# KiCad board Bus_Card.kicad_pcb (continued)
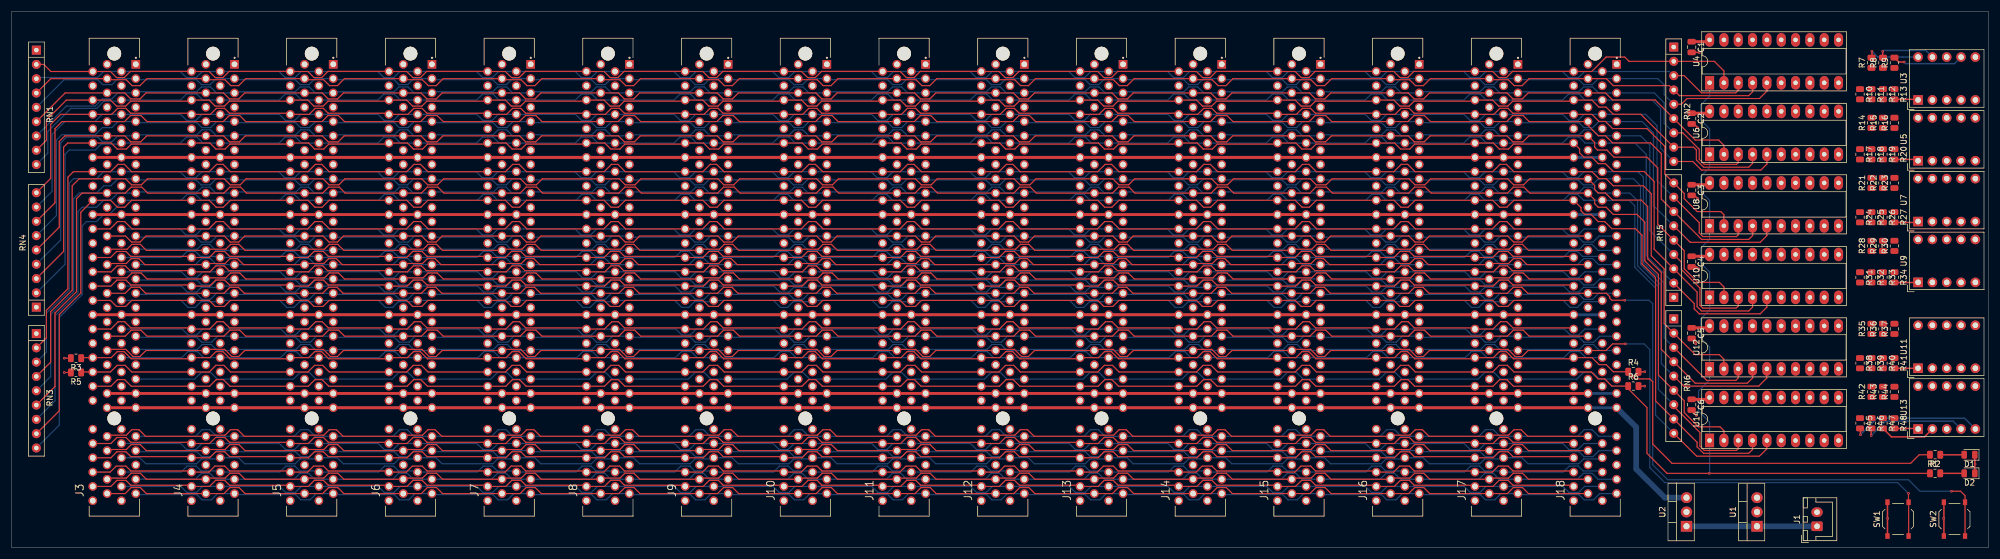
[diagram p0: board, top side]
## Routing (per net, layer and track width the routed paths; a pad name or vN(x,y) marks a point on that pad's centre or on a via; arc(x,y) is an arc through that point) (continued)
/~{L_RAM}: length 278.7
  Top w0.2: J18.B24 266.4,56.61 265.1,57.91 263.83,57.91 262.52,56.61 J17.B24 248.9,56.61 247.6,57.91 246.33,57.91 245.02,56.61 J16.B24 231.4,56.61 230.1,57.91 228.83,57.91 227.52,56.61 J15.B24 213.9,56.61 212.6,57.91 211.33,57.91 210.02,56.61 J14.B24 196.4,56.61 195.1,57.91 193.83,57.91 192.52,56.61 J13.B24 178.9,56.61 177.6,57.91 176.33,57.91 175.02,56.61 J12.B24 161.4,56.61 160.1,57.91 158.83,57.91 157.52,56.61 J11.B24 143.9,56.61 142.6,57.91 141.33,57.91 140.02,56.61 J10.B24 126.4,56.61 125.1,57.91 123.83,57.91 122.52,56.61 J9.B24 108.9,56.61 107.6,57.91 106.33,57.91 105.02,56.61 J8.B24 91.4,56.61 90.1,57.91 88.83,57.91 87.52,56.61 J7.B24 73.9,56.61 72.6,57.91 71.33,57.91 70.02,56.61 J6.B24 56.4,56.61 55.1,57.91 53.83,57.91 52.52,56.61 J5.B24 38.9,56.61 37.6,57.91 36.33,57.91 35.02,56.61 J4.B24 21.4,56.61 20.1,57.91 18.83,57.91 17.52,56.61 J3.B24
/~{ML}: length 275.9
  Top w0.2: J3.B39 20.19,37.56 21.27,38.63 22.99,38.63 24.06,37.56 J4.B39 37.69,37.56 38.77,38.63 40.49,38.63 41.56,37.56 J5.B39 55.19,37.56 56.27,38.63 57.99,38.63 59.06,37.56 J6.B39 72.69,37.56 73.77,38.63 75.49,38.63 76.56,37.56 J7.B39 90.19,37.56 91.27,38.63 92.99,38.63 94.06,37.56 J8.B39 107.69,37.56 108.77,38.63 110.49,38.63 111.56,37.56 J9.B39 125.19,37.56 126.27,38.63 127.99,38.63 129.06,37.56 J10.B39 142.69,37.56 143.77,38.63 145.49,38.63 146.56,37.56 J11.B39 160.19,37.56 161.27,38.63 162.99,38.63 164.06,37.56 J12.B39 177.69,37.56 178.77,38.63 180.49,38.63 181.56,37.56 J13.B39 195.19,37.56 196.27,38.63 197.99,38.63 199.06,37.56 J14.B39 212.69,37.56 213.77,38.63 215.49,38.63 216.56,37.56 J15.B39 230.19,37.56 231.27,38.63 232.99,38.63 234.06,37.56 J16.B39 247.69,37.56 248.77,38.63 250.49,38.63 251.56,37.56 J17.B39 265.19,37.56 266.27,38.63 267.99,38.63 269.06,37.56 J18.B39
/~{NMI}: length 381.5
  Top w0.2: J3.B33 20.19,45.18 21.26,46.24 22.75,46.24 23.81,45.18 J4.B33 37.69,45.18 38.76,46.24 40.25,46.24 41.31,45.18 J5.B33 55.19,45.18 56.26,46.24 57.75,46.24 58.81,45.18 J6.B33 72.69,45.18 73.76,46.24 75.25,46.24 76.31,45.18 J7.B33 90.19,45.18 91.26,46.24 92.75,46.24 93.81,45.18 J8.B33 107.69,45.18 108.76,46.24 110.25,46.24 111.31,45.18 J9.B33 125.19,45.18 126.26,46.24 127.75,46.24 128.81,45.18 J10.B33 142.69,45.18 143.76,46.24 145.25,46.24 146.31,45.18 J11.B33 160.19,45.18 161.26,46.24 162.75,46.24 163.81,45.18 J12.B33 177.69,45.18 178.76,46.24 180.25,46.24 181.31,45.18 J13.B33 195.19,45.18 196.26,46.24 197.75,46.24 198.81,45.18 J14.B33 212.69,45.18 213.76,46.24 215.25,46.24 216.31,45.18 J15.B33 230.19,45.18 231.26,46.24 232.75,46.24 233.81,45.18 J16.B33 247.69,45.18 248.76,46.24 250.25,46.24 251.31,45.18 J17.B33 265.19,45.18 266.26,46.24 267.75,46.24 268.81,45.18 J18.B33 282.73,45.18 283.34,44.58 283.34,44.32 283.72,43.94 v1(286,43.94) ; v1(343.92,10.03) 345.53,10.03 346.32,9.24 SW2.2 SW2.2
  Bottom w0.2: v1(286,43.94) 290.32,43.94 290.96,43.31 290.96,14.73 293.62,12.06 336.3,12.06 338.33,10.03 v1(343.92,10.03)
/~{RDY}: length 275.7
  Bottom w0.2: J18.A41 281.51,35.02 280.45,36.08 278.83,36.08 277.97,35.22 267.27,35.22 J17.A41 264.01,35.02 262.95,36.08 261.33,36.08 260.47,35.22 249.77,35.22 J16.A41 246.51,35.02 245.45,36.08 243.83,36.08 242.97,35.22 232.27,35.22 J15.A41 229.01,35.02 227.95,36.08 226.33,36.08 225.47,35.22 214.77,35.22 J14.A41 211.51,35.02 210.45,36.08 208.83,36.08 207.97,35.22 197.27,35.22 J13.A41 194.01,35.02 192.95,36.08 191.33,36.08 190.47,35.22 179.77,35.22 J12.A41 176.51,35.02 175.45,36.08 173.83,36.08 172.97,35.22 162.27,35.22 J11.A41 159.01,35.02 157.95,36.08 156.33,36.08 155.47,35.22 144.77,35.22 J10.A41 141.51,35.02 140.45,36.08 138.83,36.08 137.97,35.22 127.27,35.22 J9.A41 124.01,35.02 122.95,36.08 121.33,36.08 120.47,35.22 109.77,35.22 J8.A41 106.51,35.02 105.45,36.08 103.83,36.08 102.97,35.22 92.27,35.22 J7.A41 89.01,35.02 87.95,36.08 86.33,36.08 85.47,35.22 74.77,35.22 J6.A41 71.51,35.02 70.45,36.08 68.83,36.08 67.97,35.22 57.27,35.22 J5.A41 54.01,35.02 52.95,36.08 51.33,36.08 50.47,35.22 39.77,35.22 J4.A41 36.51,35.02 35.45,36.08 33.83,36.08 32.97,35.22 22.27,35.22 J3.A41
/~{RES}: length 366.4
  Top w0.2: J3.B41 17.19,35.22 20.3,35.22 21.57,33.95 22.81,33.95 23.87,35.02 J4.B41 34.69,35.22 37.8,35.22 39.07,33.95 40.31,33.95 41.37,35.02 J5.B41 52.19,35.22 55.3,35.22 56.57,33.95 57.81,33.95 58.87,35.02 J6.B41 69.69,35.22 72.8,35.22 74.07,33.95 75.31,33.95 76.37,35.02 J7.B41 87.19,35.22 90.3,35.22 91.57,33.95 92.81,33.95 93.87,35.02 J8.B41 104.69,35.22 107.8,35.22 109.07,33.95 110.31,33.95 111.37,35.02 J9.B41 122.19,35.22 125.3,35.22 126.57,33.95 127.81,33.95 128.87,35.02 J10.B41 139.69,35.22 142.8,35.22 144.07,33.95 145.31,33.95 146.37,35.02 J11.B41 157.19,35.22 160.3,35.22 161.57,33.95 162.81,33.95 163.87,35.02 J12.B41 174.69,35.22 177.8,35.22 179.07,33.95 180.31,33.95 181.37,35.02 J13.B41 192.19,35.22 195.3,35.22 196.57,33.95 197.81,33.95 198.87,35.02 J14.B41 209.69,35.22 212.8,35.22 214.07,33.95 215.31,33.95 216.37,35.02 J15.B41 227.19,35.22 230.3,35.22 231.57,33.95 232.81,33.95 233.87,35.02 J16.B41 244.69,35.22 247.8,35.22 249.07,33.95 250.31,33.95 251.37,35.02 J17.B41 262.19,35.22 265.3,35.22 266.57,33.95 267.81,33.95 268.87,35.02 J18.B41 282.67,35.02 283.85,36.19 v1(286.13,36.19) ; v1(336.3,9.65) 336.3,8.11 SW1.2 SW1.2
  Bottom w0.2: v1(286.13,36.19) 289.43,36.19 290.45,35.18 290.45,14.22 293.12,11.56 334.39,11.56 v1(336.3,9.65)
/~{ROM}: length 275.7
  Bottom w0.2: J18.A25 281.45,55.34 280.38,54.27 278.64,54.27 277.78,55.13 267.27,55.13 J17.A25 263.95,55.34 262.88,54.27 261.14,54.27 260.28,55.13 249.77,55.13 J16.A25 246.45,55.34 245.38,54.27 243.64,54.27 242.78,55.13 232.27,55.13 J15.A25 228.95,55.34 227.88,54.27 226.14,54.27 225.28,55.13 214.77,55.13 J14.A25 211.45,55.34 210.38,54.27 208.64,54.27 207.78,55.13 197.27,55.13 J13.A25 193.95,55.34 192.88,54.27 191.14,54.27 190.28,55.13 179.77,55.13 J12.A25 176.45,55.34 175.38,54.27 173.64,54.27 172.78,55.13 162.27,55.13 J11.A25 158.95,55.34 157.88,54.27 156.14,54.27 155.28,55.13 144.77,55.13 J10.A25 141.45,55.34 140.38,54.27 138.64,54.27 137.78,55.13 127.27,55.13 J9.A25 123.95,55.34 122.88,54.27 121.14,54.27 120.28,55.13 109.77,55.13 J8.A25 106.45,55.34 105.38,54.27 103.64,54.27 102.78,55.13 92.27,55.13 J7.A25 88.95,55.34 87.88,54.27 86.14,54.27 85.28,55.13 74.77,55.13 J6.A25 71.45,55.34 70.38,54.27 68.64,54.27 67.78,55.13 57.27,55.13 J5.A25 53.95,55.34 52.88,54.27 51.14,54.27 50.28,55.13 39.77,55.13 J4.A25 36.45,55.34 35.38,54.27 33.64,54.27 32.78,55.13 22.27,55.13 J3.A25
/~{VP}: length 278.7
  Top w0.2: J3.B38 17.65,38.83 18.95,40.13 20.1,40.13 21.19,39.03 31.74,39.03 J4.B38 35.15,38.83 36.45,40.13 37.6,40.13 38.69,39.03 49.24,39.03 J5.B38 52.65,38.83 53.95,40.13 55.1,40.13 56.19,39.03 66.74,39.03 J6.B38 70.15,38.83 71.45,40.13 72.6,40.13 73.69,39.03 84.24,39.03 J7.B38 87.65,38.83 88.95,40.13 90.1,40.13 91.19,39.03 101.74,39.03 J8.B38 105.15,38.83 106.45,40.13 107.6,40.13 108.69,39.03 119.24,39.03 J9.B38 122.65,38.83 123.95,40.13 125.1,40.13 126.19,39.03 136.74,39.03 J10.B38 140.15,38.83 141.45,40.13 142.6,40.13 143.69,39.03 154.24,39.03 J11.B38 157.65,38.83 158.95,40.13 160.1,40.13 161.19,39.03 171.74,39.03 J12.B38 175.15,38.83 176.45,40.13 177.6,40.13 178.69,39.03 189.24,39.03 J13.B38 192.65,38.83 193.95,40.13 195.1,40.13 196.19,39.03 206.74,39.03 J14.B38 210.15,38.83 211.45,40.13 212.6,40.13 213.69,39.03 224.24,39.03 J15.B38 227.65,38.83 228.95,40.13 230.1,40.13 231.19,39.03 241.74,39.03 J16.B38 245.15,38.83 246.45,40.13 247.6,40.13 248.69,39.03 259.24,39.03 J17.B38 262.65,38.83 263.95,40.13 265.1,40.13 266.19,39.03 276.74,39.03 J18.B38
VDC: length 23.1
  Bottom w1: U2.1 J1.1
Net-(D1-A): length 4.2
  Top w0.25: R1.2 D1.2
Net-(D2-A): length 4.2
  Top w0.25: R2.2 D2.2
Net-(U3-A): length 9.7
  Top w0.25: v1(329.82,88.14) 329.82,87.1 R7.2
  Bottom w0.25: U3.10 335.28,87.12 335.28,87.12 330.83,87.12 v1(329.82,88.14)
Net-(U3-B): length 10.5
  Top w0.25: v1(331.72,88.14) 331.72,87.07 R8.2
  Bottom w0.25: U3.9 339.36,88.3 331.88,88.3 v1(331.72,88.14)
Net-(U3-C): length 12.7
  Top w0.25: R9.2 334.59,86.23 v1(335.53,86.23)
  Bottom w0.25: v1(335.53,86.23) 335.82,85.95 344.44,85.95 U3.7
Net-(U3-G): length 4.2
  Top w0.25: R13.2 337.89,79.61 U3.1
Net-(U5-G): length 4.3
  Top w0.25: R20.2 337.76,68.94 U5.1
Net-(U7-G): length 4.3
  Top w0.25: R27.2 337.84,57.76 U7.1
Net-(U9-G): length 4.2
  Top w0.25: R34.2 337.97,47.09 U9.1
Net-(U11-G): length 4.2
  Top w0.25: R41.2 337.97,31.85 U11.1
Net-(U13-D): length 23.5
  Top w0.25: R45.2 327.79,21.11 v1(327.79,20.07)
  Bottom w0.25: U13.5 346.25,22.99 330.71,22.99 v1(327.79,20.07)
Net-(U13-E): length 18.8
  Top w0.25: v1(329.69,19.94) 329.69,21.14 R46.2
  Bottom w0.25: U13.4 344.22,22.48 332.23,22.48 v1(329.69,19.94)
Net-(U13-F): length 10
  Top w0.25: R47.2 333.27,19.68 339.14,19.68 U13.2
Net-(U13-G): length 4.2
  Top w0.25: U13.1 337.89,21.19 R48.2

## Copper pours and planes (outline as drawn; the poured copper is in the pictures)
+5V on In2.Cu: 313.94,7.11 326.26,19.43 350.52,19.43 350.39,88.9 350.39,92.71 275.72,92.71 275.59,7.11 289.94,7.11 294.39,11.56 297.69,11.56 302.13,7.11
GND on In1.Cu, In2.Cu: 350.57,0 350.57,95.25 0.05,95.25 0.05,0
